# Altium PCB WhiteRHINO_0v1.PcbDoc (part 5 of 10)
Units mm, origin at the board's own origin, x right, y up, seen from the top; angles counter-clockwise.
Board outline 120.2 x 121.5 mm, 12 copper layers (L1_Top Layer, L2_GND, L3_Critical, L4_Critical, L5_GND, L6_Power, L7_Non-Critical, L8_Power, L9_Critical, L10_Critical, L11_GND, L12_Bottom Layer), stack 1.414 mm thick; 837 components, 556 nets, 3237 pads, 1790 vias.
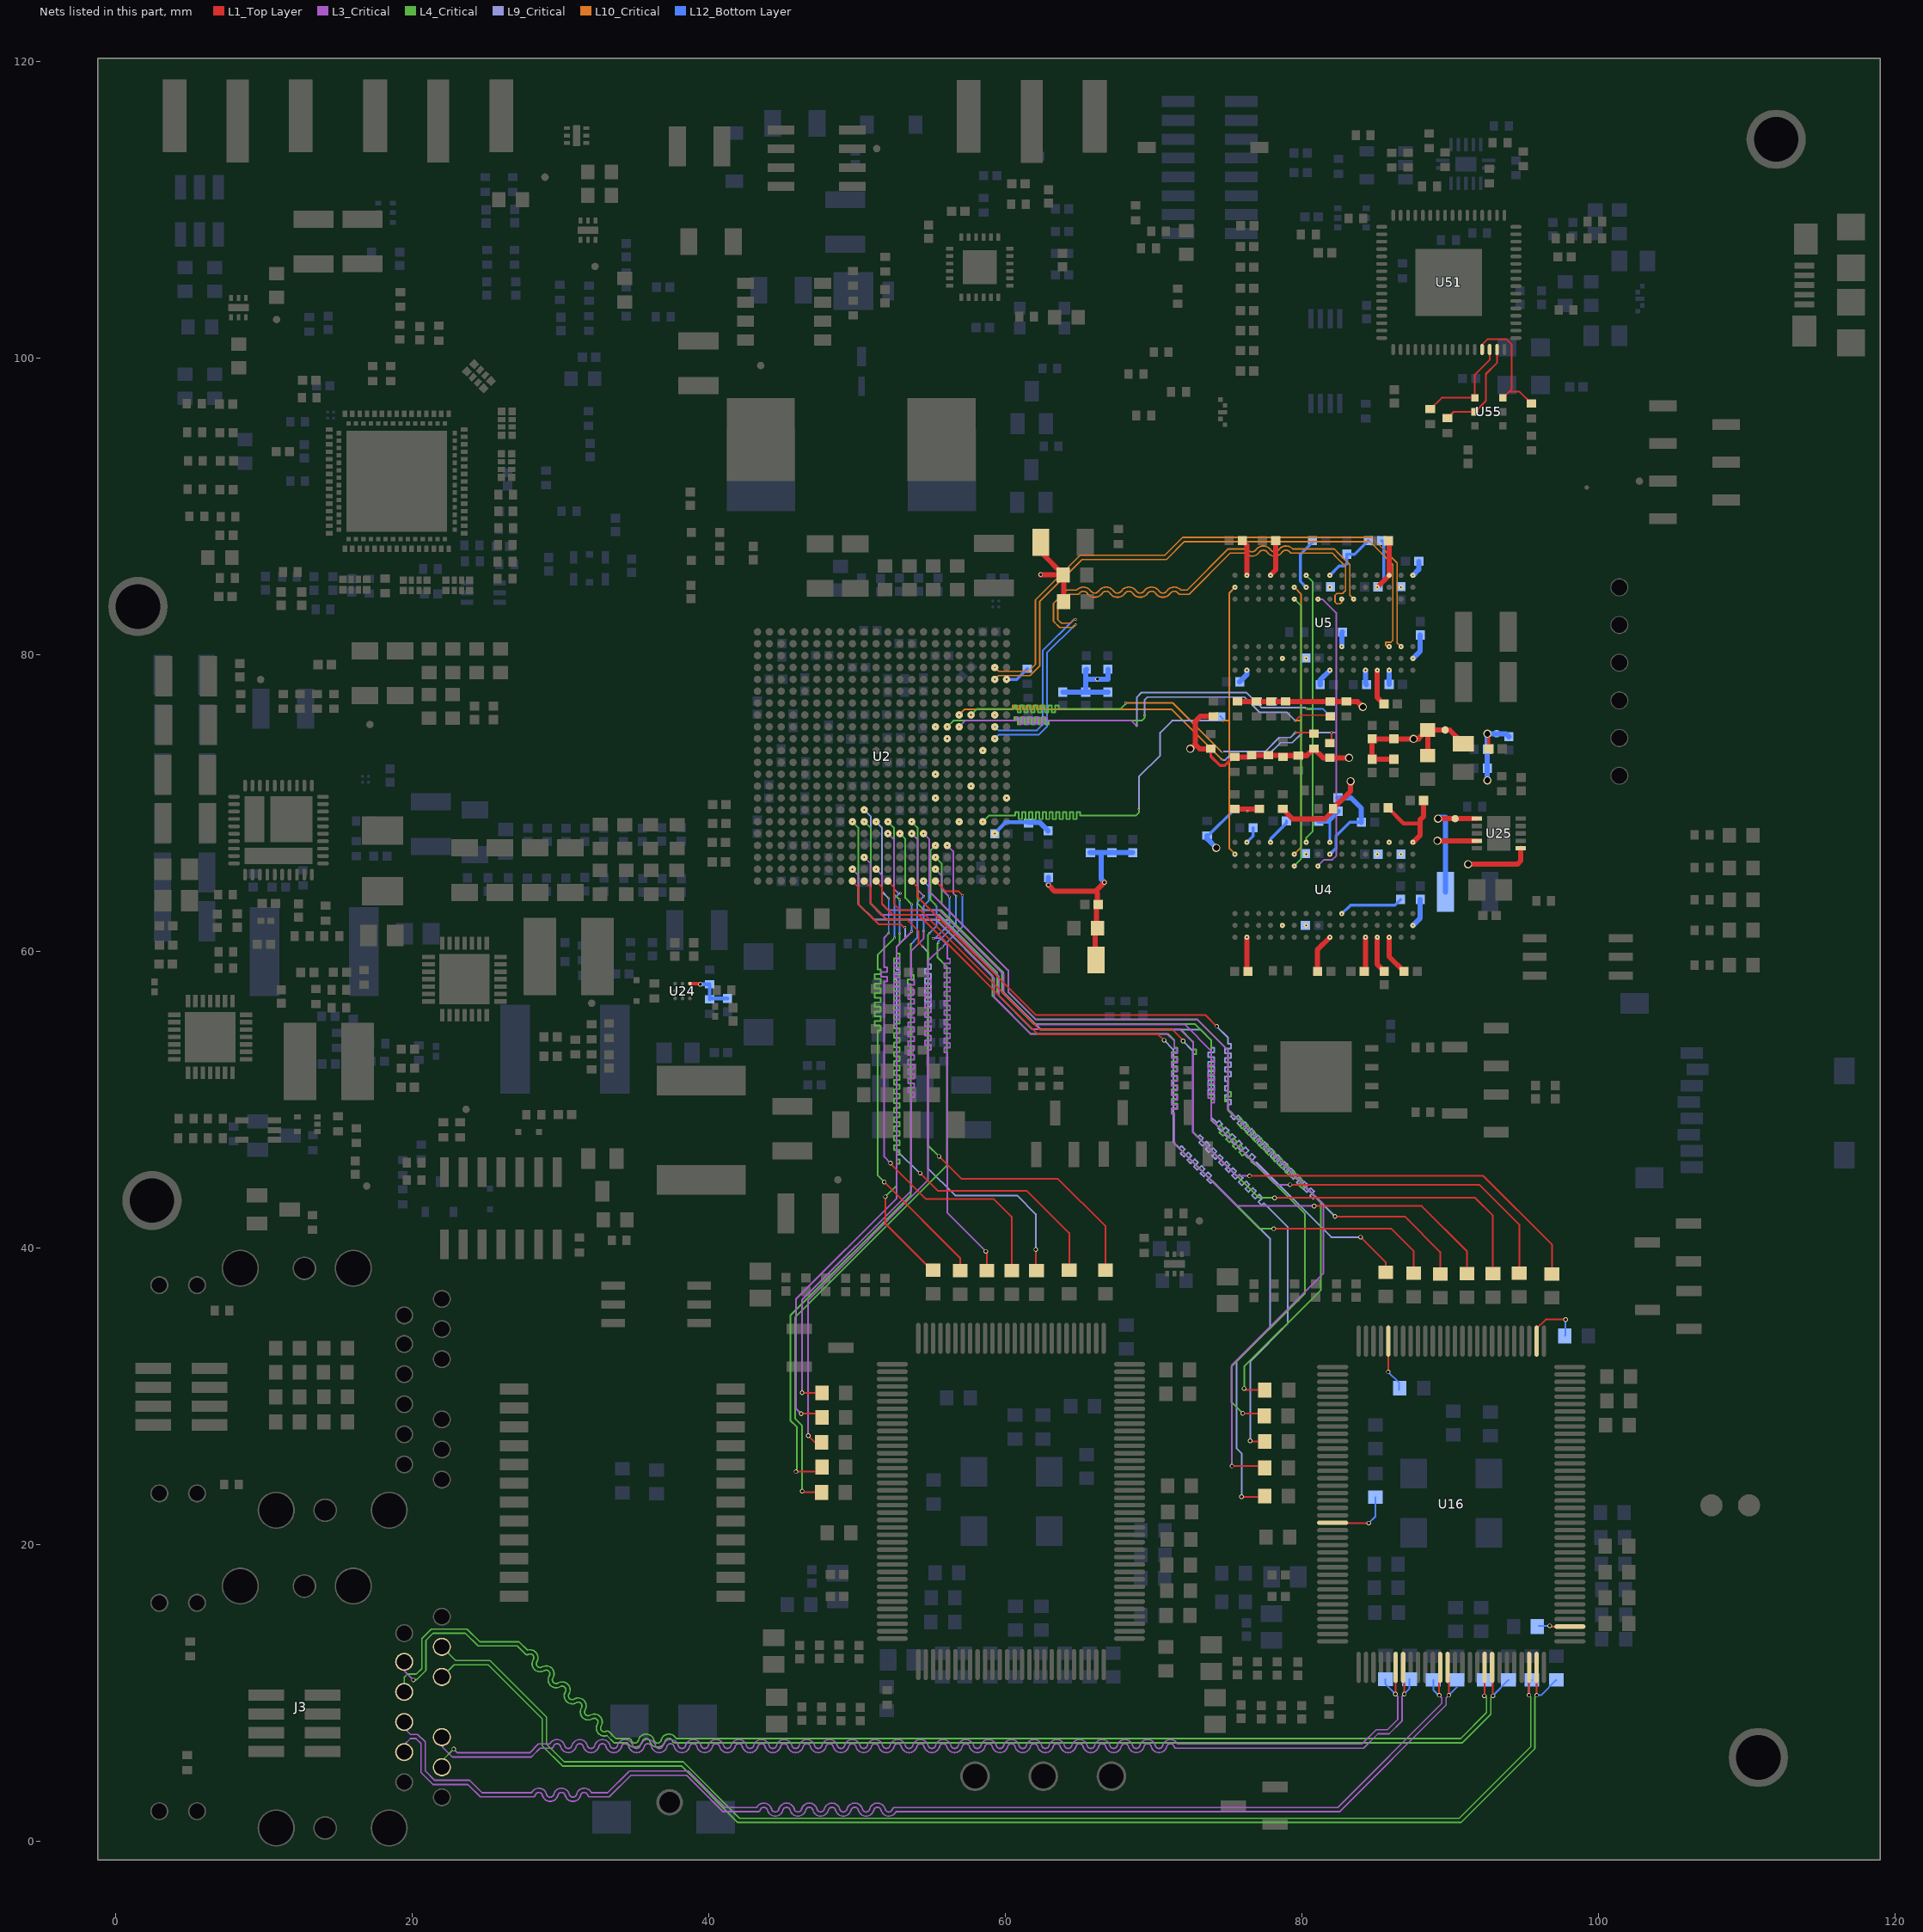
[diagram p15: the nets of this part, all layers, seen from the top]

## Via types
v1: diameter 0.15, hole 0.1, L1_Top Layer to L12_Bottom Layer, tented both sides, 705 vias
v2: diameter 0.3, hole 0.2, L1_Top Layer to L12_Bottom Layer, tented both sides, 589 vias
v3: diameter 0.3, hole 0.2, L1_Top Layer to L12_Bottom Layer, 145 vias
v4: diameter 0.55, hole 0.4, L1_Top Layer to L12_Bottom Layer, tented both sides, 89 vias
v5: diameter 0.15, hole 0.1, L1_Top Layer to L12_Bottom Layer, 73 vias
v6: diameter 0.4, hole 0.2, L1_Top Layer to L12_Bottom Layer, tented both sides, 61 vias
v7: diameter 0.66, hole 0.33, L1_Top Layer to L12_Bottom Layer, tented top, 41 vias
v8: diameter 0.3, hole 0.2, L1_Top Layer to L12_Bottom Layer, tented bottom, 27 vias
v9: diameter 0.55, hole 0.4, L1_Top Layer to L12_Bottom Layer, 20 vias
v10: diameter 0.5, hole 0.2, L1_Top Layer to L12_Bottom Layer, tented both sides, 16 vias
v11: diameter 0.5, hole 0.25, L1_Top Layer to L12_Bottom Layer, 13 vias
v12: diameter 0.4, hole 0.25, L1_Top Layer to L12_Bottom Layer, 9 vias
v13: diameter 0.5, hole 0.4, L1_Top Layer to L12_Bottom Layer, tented both sides, 1 vias
v14: diameter 0.55, hole 0.4, L1_Top Layer to L12_Bottom Layer, tented bottom, 1 vias

## Nets (pads, with @x,y where several pads share a name; then routed paths per layer and width w, separated by ;. In a path a pad name is that pad's centre, name@x,y a point inside that pad or via, vN(x,y) a via of type N, cw(c..) or ccw(c..) an arc to the next point about the centre after c; other vN are vias at no path point) (continued)
DDR3_DQS2_N: U2.P2 U5.G3 | length 40.6
  L10_Critical w0.1: v1(64.75,82.35) 64.647,82.35 64.397,82.1 63.8,82.1 63.55,82.35 63.55,83.325 64.275,84.05 64.9,84.05 ccw(c64.9,84.192) 65.016,84.111 cw(c65.283,83.925) 65.55,84.111 ccw(c66.049,84.458) 66.548,84.111 cw(c66.815,83.925) 67.082,84.111 ccw(c67.581,84.458) 68.08,84.111 cw(c68.347,83.925) 68.614,84.111 ccw(c69.113,84.458) 69.612,84.111 cw(c69.879,83.925) 70.146,84.111 ccw(c70.645,84.458) 71.144,84.111 cw(c71.411,83.925) 71.678,84.111 ccw(c71.794,84.192) 71.794,84.05 72.4,84.05 75.175,86.825 76.198,86.825 ccw(c76.649,87.233) 77.148,86.886 cw(c77.415,86.7) 77.682,86.886 ccw(c78.181,87.233) 78.68,86.886 cw(c78.947,86.7) 79.214,86.886 ccw(c79.33,86.967) 79.33,86.825 82.075,86.825 82.275,86.625 82.275,86.613 82.963,85.925 82.963,84.3 82.763,84.1 82.375,84.1 82.25,83.975 82.25,83.525 82.375,83.4 82.6,83.4 82.704,83.504 v1(82.704,83.725)
  L12_Bottom Layer w0.115: v1(59.304,75.114) 59.543,74.875 62.152,74.875 62.527,75.25 62.527,80.24 64.637,82.35 v1(64.75,82.35)
DDR3_DQS2_P: U2.N2 U5.F3 | length 40.6
  L10_Critical w0.1: v1@64.775,82.042 v1(64.75,82.017) 64.55,81.817 63.683,81.817 63.6,81.9 63.35,82.15 63.267,82.233 63.267,83.442 63.35,83.525 64.158,84.333 64.832,84.333 cw(c65.283,83.925) 65.782,84.272 ccw(c66.049,84.458) 66.316,84.272 cw(c66.815,83.925) 67.314,84.272 ccw(c67.581,84.458) 67.848,84.272 cw(c68.347,83.925) 68.846,84.272 ccw(c69.113,84.458) 69.38,84.272 cw(c69.879,83.925) 70.378,84.272 ccw(c70.645,84.458) 70.912,84.272 cw(c71.411,83.925) 71.862,84.333 72.283,84.333 75.058,87.108 76.266,87.108 cw(c76.266,86.967) 76.382,87.047 ccw(c76.649,87.233) 76.916,87.047 cw(c77.415,86.7) 77.914,87.047 ccw(c78.181,87.233) 78.448,87.047 cw(c78.947,86.7) 79.398,87.108 82.192,87.108 82.558,86.742 82.558,86.73 83.246,86.042 83.246,83.984 v1(83.504,83.725)
  L12_Bottom Layer w0.115: v1(59.304,74.314) 59.567,74.577 62.275,74.577 62.825,75.127 62.825,80.092 v1(64.75,82.017)
DDR3_DQS3_N: U2.W2 U5.B7 | length 40
  L10_Critical w0.1: v1(59.304,79.114) 59.562,78.856 61.575,78.856 62.05,79.331 62.05,83.667 65.066,86.683 70.775,86.683 71.975,87.883 84.717,87.883 86.433,86.167 86.433,80.775 86.683,80.525 v1(86.704,80.525)
DDR3_DQS3_P: U2.V2 U5.C7 | length 40
  L10_Critical w0.1: v1(59.304,78.314) 59.562,78.573 61.692,78.573 62.333,79.213 62.333,83.55 65.183,86.4 70.892,86.4 72.092,87.6 84.6,87.6 86.15,86.05 86.15,80.95 86.016,80.816 85.672,80.816 85.672,80.597 85.744,80.525 v1(85.904,80.525)
DDR3_ODT0: R62.1 U2.P5 U4.K1 U5.K1 | length 51
  L3_Critical w0.115: v1(56.904,75.114) 57.315,75.525 60.755,75.525 60.755,75.755 60.985,75.755 60.985,75.295 61.215,75.295 61.215,75.755 61.445,75.755 61.445,75.295 61.675,75.295 61.675,75.755 61.905,75.755 61.905,75.295 62.135,75.295 62.135,75.755 62.365,75.755 62.365,75.295 62.595,75.295 62.595,75.755 62.825,75.755 62.825,75.525 68.525,75.525 v1(68.875,75.175)
  L4_Critical w0.115: v1(80.304,85.325) 80.749,84.88 80.749,76.325 ; v1(80.312,67.326) 80.312,67.646 80.749,68.083 80.749,76.325 ; v1(80.325,76.325) 80.749,76.325
  L9_Critical w0.115: v1(68.875,75.175) 68.875,77.1 69.208,77.433 76.274,77.433 77.309,76.398 80.253,76.398 v1(80.325,76.325)
  L12_Bottom Layer w0.115: v1(80.325,76.325) 81.425,76.325 R62.1@81.925,75.825
DDR3_RAS: R60.1 U2.R5 U4.J3 U5.J3 | length 50.4
  L1_Top Layer w0.115: R60.1@81.9,74.025 82.025,74.15 v1(82.025,74.725)
  L3_Critical w0.115: v1(81.09,65.721) 81.519,66.15 82.075,66.15 82.325,66.4 82.325,74.725 ; v1(81.104,83.725) 81.4,83.725 82.325,82.8 82.325,74.725 ; v1(82.025,74.725) 82.325,74.725
  L10_Critical w0.115: v1(56.904,75.914) 57.29,76.3 60.515,76.3 60.515,76.539 60.745,76.539 60.745,76.3 60.975,76.3 60.975,76.539 61.205,76.539 61.205,76.3 61.435,76.3 61.435,76.539 61.665,76.539 61.665,76.3 61.895,76.3 61.895,76.539 62.125,76.539 62.125,76.3 62.355,76.3 62.355,76.539 62.585,76.539 62.585,76.3 71.225,76.3 v1(74.65,72.875)
  L9_Critical w0.115: v1(74.65,72.875) 74.85,72.875 75.108,73.133 77.669,73.133 78.581,74.044 79.369,74.044 80.05,74.725 v1(82.025,74.725)
DDR3_RESET: R65.1 U2.F3 U4.T2 U5.T2 | length 49.5
  L4_Critical w0.115: v1(58.504,68.714) 58.915,69.125 60.69,69.125 60.69,69.364 60.92,69.364 60.92,68.886 61.15,68.886 61.15,69.364 61.38,69.364 61.38,68.886 61.61,68.886 61.61,69.364 61.84,69.364 61.84,68.886 62.07,68.886 62.07,69.364 62.3,69.364 62.3,68.886 62.53,68.886 62.53,69.364 62.76,69.364 62.76,68.886 62.99,68.886 62.99,69.364 63.22,69.364 63.22,68.886 63.45,68.886 63.45,69.364 63.68,69.364 63.68,68.886 63.91,68.886 63.91,69.364 64.14,69.364 64.14,68.886 64.37,68.886 64.37,69.364 64.6,69.364 64.6,68.886 64.83,68.886 64.83,69.364 65.06,69.364 65.06,69.125 68.825,69.125 69.025,69.325 v1(69.025,69.55)
  L10_Critical w0.115: v1(74.7,75.525) 75.125,75.524 ; v1(75.503,66.525) 75.125,66.903 75.125,75.524 ; v1(75.504,84.525) 75.125,84.146 75.125,75.524
  L9_Critical w0.115: v1(69.025,69.55) 69.025,71.743 70.468,73.186 70.468,74.715 71.278,75.525 v1(74.7,75.525)
  L12_Bottom Layer w0.115: R65.1@74.525,75.825 74.7,75.65 v1(74.7,75.525)
DDR3_S0: R59.1 U2.P6 U4.L2 U5.L2 | length 51.8
  L1_Top Layer w0.115: v1(79.575,75.525) 79.95,75.9 81.85,75.9 R59.1@81.925,75.825
  L4_Critical w0.115: v1(56.104,75.114) 56.515,75.525 60.64,75.525 60.64,75.76 60.87,75.76 60.87,75.286 61.1,75.286 61.1,75.76 61.33,75.76 61.33,75.286 61.56,75.286 61.56,75.76 61.79,75.76 61.79,75.286 62.02,75.286 62.02,75.76 62.25,75.76 62.25,75.286 62.48,75.286 62.48,75.76 62.71,75.76 62.71,75.286 62.94,75.286 62.94,75.525 69.225,75.525 69.401,75.701 v1(69.401,75.9)
  L10_Critical w0.115: v1(79.504,66.525) 79.972,66.993 79.972,75.55 ; v1(79.504,84.525) 79.972,84.058 79.972,83.584 79.975,83.58 79.975,79.866 79.972,79.863 79.972,75.55 ; v1(79.575,75.525) 79.947,75.525 79.972,75.55
  L9_Critical w0.115: v1(69.401,75.9) 69.4,76.925 69.593,77.118 76.144,77.118 77.179,76.083 79.018,76.083 v1(79.575,75.525)
DDR3_WE: R58.1 U2.R4 U4.L3 U5.L3 | length 50.5
  L1_Top Layer w0.115: v1(79.575,74.725) 80.75,74.725 R58.1@80.825,74.65
  L4_Critical w0.115: v1(57.704,75.914) 58.115,76.325 60.615,76.325 60.615,76.566 60.845,76.566 60.845,76.084 61.075,76.084 61.075,76.566 61.305,76.566 61.305,76.084 61.535,76.084 61.535,76.566 61.765,76.566 61.765,76.084 61.995,76.084 61.995,76.566 62.225,76.566 62.225,76.084 62.455,76.084 62.455,76.566 62.685,76.566 62.685,76.084 62.915,76.084 62.915,76.566 63.145,76.566 63.145,76.084 63.375,76.084 63.375,76.566 63.605,76.566 63.605,76.325 67.8,76.325 68.125,76.65 v1(68.125,76.725) ; v1(79.504,65.725) 79.519,65.725 79.519,65.759 79.967,66.207 79.967,74.735 ; v1(79.504,83.725) 79.967,83.262 79.967,74.735 ; v1(79.575,74.725) 79.957,74.725 79.967,74.735
  L10_Critical w0.115: v1(68.125,76.725) 71.306,76.725 74.583,73.448 v1(74.653,73.448)
  L9_Critical w0.115: v1(74.653,73.448) 77.538,73.448 78.483,74.393 79.243,74.393 v1(79.575,74.725)
DDR_0V75: C364.2 pad.@90.35,68.925 R40.2 R41.2 R42.2 R43.2 R44.2 R45.2 R46.2 R47.2 R48.2 R49.2 R50.2 R51.2 R52.2 R53.2 R54.2 R55.2 R56.2 R57.2 R58.2 R59.2 R60.2 R61.2 R62.2 R64.2 U25.6 U25.9 | length 54.9
  L1_Top Layer w0.2: R48.2@73.875,73.625 73.875,73.12 74.495,72.5 74.805,72.5 75.38,73.075 R46.2@75.5,73.075 ; 76.35,69.575 76.35,69.432 v5(76.354,69.429)
  L1_Top Layer w0.35: v4(72.486,73.633) 72.533,73.633 72.825,73.925 ; R48.2@73.875,73.625 73.125,73.625 72.825,73.925 ; R50.2@74.2,75.825 73.175,75.825 72.825,75.475 72.825,73.925 ; R43.2@75.5,69.575 76.35,69.575 ; R46.2@75.5,73.075 76.5,73.075 R56.2@76.625,73.2 R45.2@77.75,73.2 78.625,73.2 R40.2@78.75,73.075 78.85,73.175 R47.2@79.775,73.175 80.35,73.175 R58.2@80.825,73.65 81.45,73.025 R60.2@81.9,73.025 v4(83.2,73.025) ; R44.2@75.675,76.825 R42.2@77.925,76.825 R54.2@78.925,76.825 R59.2@81.925,76.825 R61.2@83.025,76.825 83.75,76.825 v4(84.125,76.45) ; 76.354,69.575 R53.2@77.15,69.575 ; R41.2@78.725,69.575 79.4,68.9 81.555,68.9 82.125,69.47 R64.2@82.125,69.6 83.3,70.775 v4(83.3,71.45) ; v4(89.15,67.425) U25.9@91.825,67.425 ; v4(89.2,68.925) U25.6@91.825,68.925
  L3_Critical w0.35: v4@72.475,73.643 v4(72.486,73.633)
  L12_Bottom Layer w0.2: R49.2@73.625,67.775 73.7,67.775 R51.2@75.5,69.575
  L12_Bottom Layer w0.35: R49.2@73.625,67.775 73.625,67.575 v4(74.25,66.95) ; R55.2@76.925,76.825 R57.2@78.025,76.825 R62.2@81.925,76.825 83.75,76.825 v4(84.125,76.45) ; v4(89.15,67.425) 89.675,67.425 89.7,67.4 ; v4(89.2,68.925) 89.3,69.025 89.7,69.025 89.7,67.4 ; C364.2@89.7,63.975 89.7,67.4
DDR_1V5: C28.2 C29.2 C30.2 C31.2 C32.2 C33.2 C34.2 C35.2 C36.2 C37.2 C38.2 C52.2 C53.2 C54.2 C55.2 C56.2 C57.2 C58.2 C158.2 C160.2 C162.2 C163.2 C164.2 C165.2 C166.2 C167.2 C168.2 C169.2 C170.2 C171.2 C172.2 C173.2 C174.2 C175.2 C176.2 C177.2 C178.2 C179.2 C180.2 C181.2 C182.2 C183.2 C184.2 C185.2 C186.2 C187.2 C188.2 C189.2 C190.2 C191.2 C192.2 C193.2 C194.2 C195.2 C196.2 C197.2 C198.2 C199.2 FB2.2 pad.@89.675,74.9 R270.2 U2.E2 U2.F5 U2.H1 U2.J4 U2.K7 U2.M3 U2.N6 U2.R2 U2.V1 U4.A1 U4.A8 U4.B2 U4.C1 U4.C9 U4.D2 U4.D9 U4.E9 U4.G7 U4.H2 U4.H9 U4.K2 U4.K8 U4.N1 U4.R1 U4.R9 U5.A1 U5.A8 U5.B2 U5.C1 U5.C9 U5.D2 U5.D9 U5.E9 U5.G7 U5.H2 U5.H9 U5.K2 U5.K8 U5.N1 U5.R1 U5.R9 | length 104.2
  L1_Top Layer w0.115: v1(59.304,75.904) U2.R2@59.304,75.914
  L1_Top Layer w0.2: U5.K2@80.3,84.525 v1(80.304,84.525)
  L1_Top Layer w0.254: C184.2@85.825,69.65 86.875,68.6 88,68.6 ; v4@87.3,74.3 v4(87.55,74.3)
  L1_Top Layer w0.35: v2(62.4,85.375) C54.2@63.925,85.375 ; C55.2@62.425,87.575 62.425,86.875 C54.2@63.925,85.375 ; v2(62.925,64.45) 63.35,64.025 66.1,64.025 ; C53.2@63.95,83.575 63.95,85.35 C54.2@63.925,85.375 ; C56.2@66.075,59.4 66.075,61.439 66.172,61.536 66.172,63.072 66.225,63.125 66.225,63.9 66.1,64.025 ; v2(66.7,64.625) 66.1,64.025 ; C163.2@76,87.675 76.304,87.371 v5(76.304,85.325) ; v1(76.304,60.925) 76.304,58.696 C193.2@76.375,58.625 ; v5(77.904,85.325) 77.904,85.354 78.25,85.7 C162.2@78.25,87.675 ; C187.2@81.075,58.625 81.075,60.096 v1(81.904,60.925) ; C191.2@84.225,58.625 84.304,58.704 v1(84.304,60.925) ; v1(85.104,60.925) 85.104,59.096 C178.2@85.575,58.625 ; v1(85.104,78.925) 85.104,77.096 C174.2@85.55,76.65 ; v1(85.104,84.525) U5.C1@85.904,85.325 85.904,87.546 C168.2@85.85,87.6 ; v1(85.904,60.925) 85.904,59.621 C188.2@86.9,58.625 ; C198.2@86.125,74.3 C199.2@84.75,74.3 C196.2@84.75,72.925 C195.2@86.225,72.925 ; C198.2@86.225,74.3 v4@87.3,74.3 ; v1(87.504,67.325) 88,67.821 88,68.6 88,68.863 88.225,69.087 C183.2@88.225,70.15 ; v4(87.55,74.3) 87.854,74.3 ; 87.9,74.3 87.854,74.3 ; C194.2@88.454,74.9 87.854,74.3 ; C197.2@88.5,73.175 C194.2@88.5,74.9 89.975,74.9 FB2.2@90.9,73.975
  L12_Bottom Layer w0.2: v1(60.104,78.314) 60.789,78.314 R270.2@61.5,79.025 ; v1(76.304,67.325) 76.725,67.746 C186.2@76.725,68.3 ; v1(77.904,67.325) 77.904,67.56 78.975,68.631 C185.2@78.975,68.775 ; v1(80.304,84.525) 79.925,84.904 79.925,86.75 C164.2@80.725,87.55 ; v1(81.904,66.525) 82.325,66.946 82.325,67.75 83.25,68.675 C180.2@84.025,68.675 ; v1(82.702,62.5) 83.302,63.1 86.3,63.1 C189.2@86.675,63.475 ; C166.2@85.15,84.55 85.55,84.95 85.55,87.525 C160.2@85.4,87.675
  L12_Bottom Layer w0.254: C28.2@59.309,67.903 59.309,67.944 60.04,68.675 C29.2@61.575,68.675
  L12_Bottom Layer w0.35: C29.2@61.575,68.675 62.325,68.675 C30.2@62.9,68.1 ; v2(62.925,64.45) C34.2@62.925,64.95 ; C33.2@63.91,77.45 C32.2@65.45,77.45 ; C37.2@65.5,79 65.45,78.95 65.45,78.325 ; C38.2@65.725,66.65 66.475,66.65 ; v2(66.7,64.625) 66.475,64.85 66.475,66.65 ; C31.2@66.95,77.45 C32.2@65.45,77.45 ; C36.2@66.95,79 66.95,78.325 v2(66.225,78.325) 65.45,78.325 ; C58.2@68.609,66.628 C35.2@67.209,66.628 67.197,66.628 67.175,66.65 66.475,66.65 ; C173.2@75.825,78.15 76.304,78.629 v1(76.304,78.925) ; C171.2@81.25,77.95 81.25,78.271 v1(81.904,78.925) ; C158.2@82.45,70.325 83.325,70.325 84.025,69.625 C180.2@84.025,68.675 ; v1(82.704,80.525) 82.704,81.454 C177.2@82.75,81.5 ; v1(84.304,78.925) 84.304,78.021 C172.2@84.375,77.95 ; C176.2@85.9,77.975 85.904,77.979 v1(85.904,78.925) ; v1(87.504,61.725) 88,62.221 C190.2@88,63.475 ; v1(87.504,79.725) 88,80.221 C170.2@88,81.3 ; v1(87.504,85.325) 87.9,85.721 C169.2@87.9,86.275 ; C32.2@65.45,77.45 65.45,78.325
  other v1: 80.304,61.725 80.304,66.525 85.104,66.525 86.704,66.525 85.904,67.325 59.304,67.914 56.904,68.714 60.104,70.314 57.704,71.114 55.304,71.914 58.504,73.514 56.104,74.314 80.304,79.725 81.904,84.525 86.704,84.525
DDR_VREF: C109.2 C110.2 C158.1 C159.2 C160.1 C161.2 C367.2 C368.2 pad.@93.15,74.65 U2.H7 U2.P7 U4.H1 U4.M8 U5.H1 U5.M8 U25.1 | length 17.3
  L1_Top Layer w0.2: v4(92.525,74.65) 92.625,74.55 C109.2@92.625,73.625
  L1_Top Layer w0.35: v4(91.225,65.85) 94.55,65.85 94.775,66.075 U25.1@94.775,66.925
  L12_Bottom Layer w0.2: 81.775,68.75 81.904,68.621 v1(81.904,67.325) ; v1(81.904,85.325) 82.529,85.95 82.879,85.95 83.05,86.121 ; 83.079,86.092 83.05,86.121 ; C160.1@84.5,87.675 83.575,86.75 C161.2@83.05,86.75 83.05,86.121
  L12_Bottom Layer w0.35: C159.2@81.15,68.75 81.775,68.75 C158.1@82.45,69.425 ; v4(92.525,71.5) C367.2@92.525,72.325 C368.2@92.525,73.6 v4(92.525,74.65) 93.775,74.65 C110.2@93.975,74.45
  other v1: 78.704,61.725 55.304,70.314 55.304,75.114 78.704,79.725
EEPROM_CLK: R307.1 U51.62 U55.4 | length 7
  L1_Top Layer w0.115: R307.1@88.675,96.525 89.45,97.3 U55.4@91.675,97.3 91.675,98.85 92.675,99.85 U51.62@92.675,100.55
EEPROM_CS: R308.1 U51.63 U55.5 | length 6.8
  L1_Top Layer w0.115: R308.1@89.825,95.925 90.25,96.35 U55.5@91.675,96.35 92.425,97.1 92.425,98.9 93.175,99.65 U51.63@93.175,100.55
EEPROM_DATA: R309.2 U51.61 U55.3 | length 8.3
  L1_Top Layer w0.115: U51.61@92.175,100.55 92.175,100.875 92.55,101.25 93.8,101.25 94.175,100.875 94.175,97.9 94,97.725 ; U55.3@93.575,97.3 94,97.725 ; R309.2@95.5,96.9 94.675,97.725 94,97.725
ETH1_RXCLK: R93.1 U2.A14 | length 38.1
  L1_Top Layer w0.115: U2.A14@49.704,64.714 50.1,64.318 50.1,63.175 51.47,61.805 52.95,61.805 53.156,61.599 v1(53.25,61.599) ; v2(54.275,45.025) 55.475,43.825 61.475,43.825 64.325,40.975 R93.1@64.325,38.4
  L9_Critical w0.115: v1(53.25,61.599) 53.275,61.575 53.275,60.875 52.7,60.3 52.7,58.715 52.9,58.715 52.9,58.4 52.5,58.4 52.5,58.085 52.7,58.085 52.7,46.55 54.225,45.025 v2(54.275,45.025)
ETH1_RXCTL: R92.1 U2.D7 | length 38
  L1_Top Layer w0.115: v2(55.55,46.15) 57.05,44.65 63.55,44.65 66.775,41.425 R92.1@66.775,38.4
  L4_Critical w0.115: v1(54.9,61.199) 54.8,61.099 54.8,46.9 v2(55.55,46.15) ; v1(55.304,67.114) 54.972,66.782 54.972,63.458 v1(55.347,63.083)
  L12_Bottom Layer w0.115: v1(54.9,61.199) 55.375,61.674 55.375,63.055 v1(55.347,63.083)
ETH1_RXD0: R95.1 U2.E11 | length 38.1
  L1_Top Layer w0.115: v2(51.85,44.425) 56.975,39.3 R95.1@56.975,38.4
  L3_Critical w0.115: v1(52.104,67.914) 52.5,67.518 52.5,64.2 52.815,63.885 v1(52.935,63.885)
  L4_Critical w0.115: v2(51.85,44.425) 51.4,44.875 51.4,54.647 51.6,54.647 51.6,54.962 51.2,54.962 51.2,55.277 51.6,55.277 51.6,55.592 51.2,55.592 51.2,55.907 51.6,55.907 51.6,56.222 51.2,56.222 51.2,56.537 51.6,56.537 51.6,56.852 51.2,56.852 51.2,57.167 51.6,57.167 51.6,57.482 51.2,57.482 51.2,57.797 51.6,57.797 51.6,58.112 51.2,58.112 51.2,58.427 51.6,58.427 51.6,58.742 51.4,58.742 51.4,59.725 v1(52.55,60.875)
  L12_Bottom Layer w0.115: v1(52.55,60.875) 52.55,63.57 52.865,63.885 v1(52.935,63.885)
ETH1_RXD1: R96.1 U2.B7 | length 37.8
  L1_Top Layer w0.115: v2(58.7,39.75) 58.775,39.675 R96.1@58.775,38.45
  L3_Critical w0.115: v1(55.152,60.848) 55.175,60.87 55.65,60.87 56.095,60.425 56.095,59.468 56.295,59.468 56.295,59.153 55.895,59.153 55.895,58.837 56.295,58.837 56.295,58.522 55.895,58.522 55.895,58.207 56.295,58.207 56.295,57.892 55.895,57.892 55.895,57.577 56.295,57.577 56.295,57.262 55.895,57.262 55.895,56.947 56.295,56.947 56.295,56.632 55.895,56.632 55.895,56.317 56.295,56.317 56.295,56.002 55.895,56.002 55.895,55.687 56.295,55.687 56.295,55.372 55.895,55.372 55.895,55.057 56.295,55.057 56.295,54.742 55.895,54.742 55.895,54.427 56.295,54.427 56.295,54.112 55.895,54.112 55.895,53.797 56.295,53.797 56.295,53.482 55.895,53.482 55.895,53.167 56.095,53.167 56.095,42.355 v2(58.7,39.75) ; v1(55.304,65.514) 55.725,65.093 55.725,64.175 v1(56.25,63.65)
  L12_Bottom Layer w0.115: v1(55.152,60.848) 55.277,60.848 56.25,61.821 v1(56.25,63.65)
ETH1_RXD2: R97.1 U2.F12 | length 38.2
  L1_Top Layer w0.115: v2(52.275,45.699) 52.275,45.675 54.675,43.275 59.25,43.275 60.45,42.075 R97.1@60.45,38.45
  L3_Critical w0.115: v1(52.15,61.2) 51.85,60.9 51.85,58.893 52.05,58.893 52.05,58.578 51.65,58.578 51.65,58.262 52.05,58.262 52.05,57.947 51.85,57.947 51.85,46.124 v2(52.275,45.699)